# Altium PCB PCB2.PcbDoc (part 1 of 2) (continued)
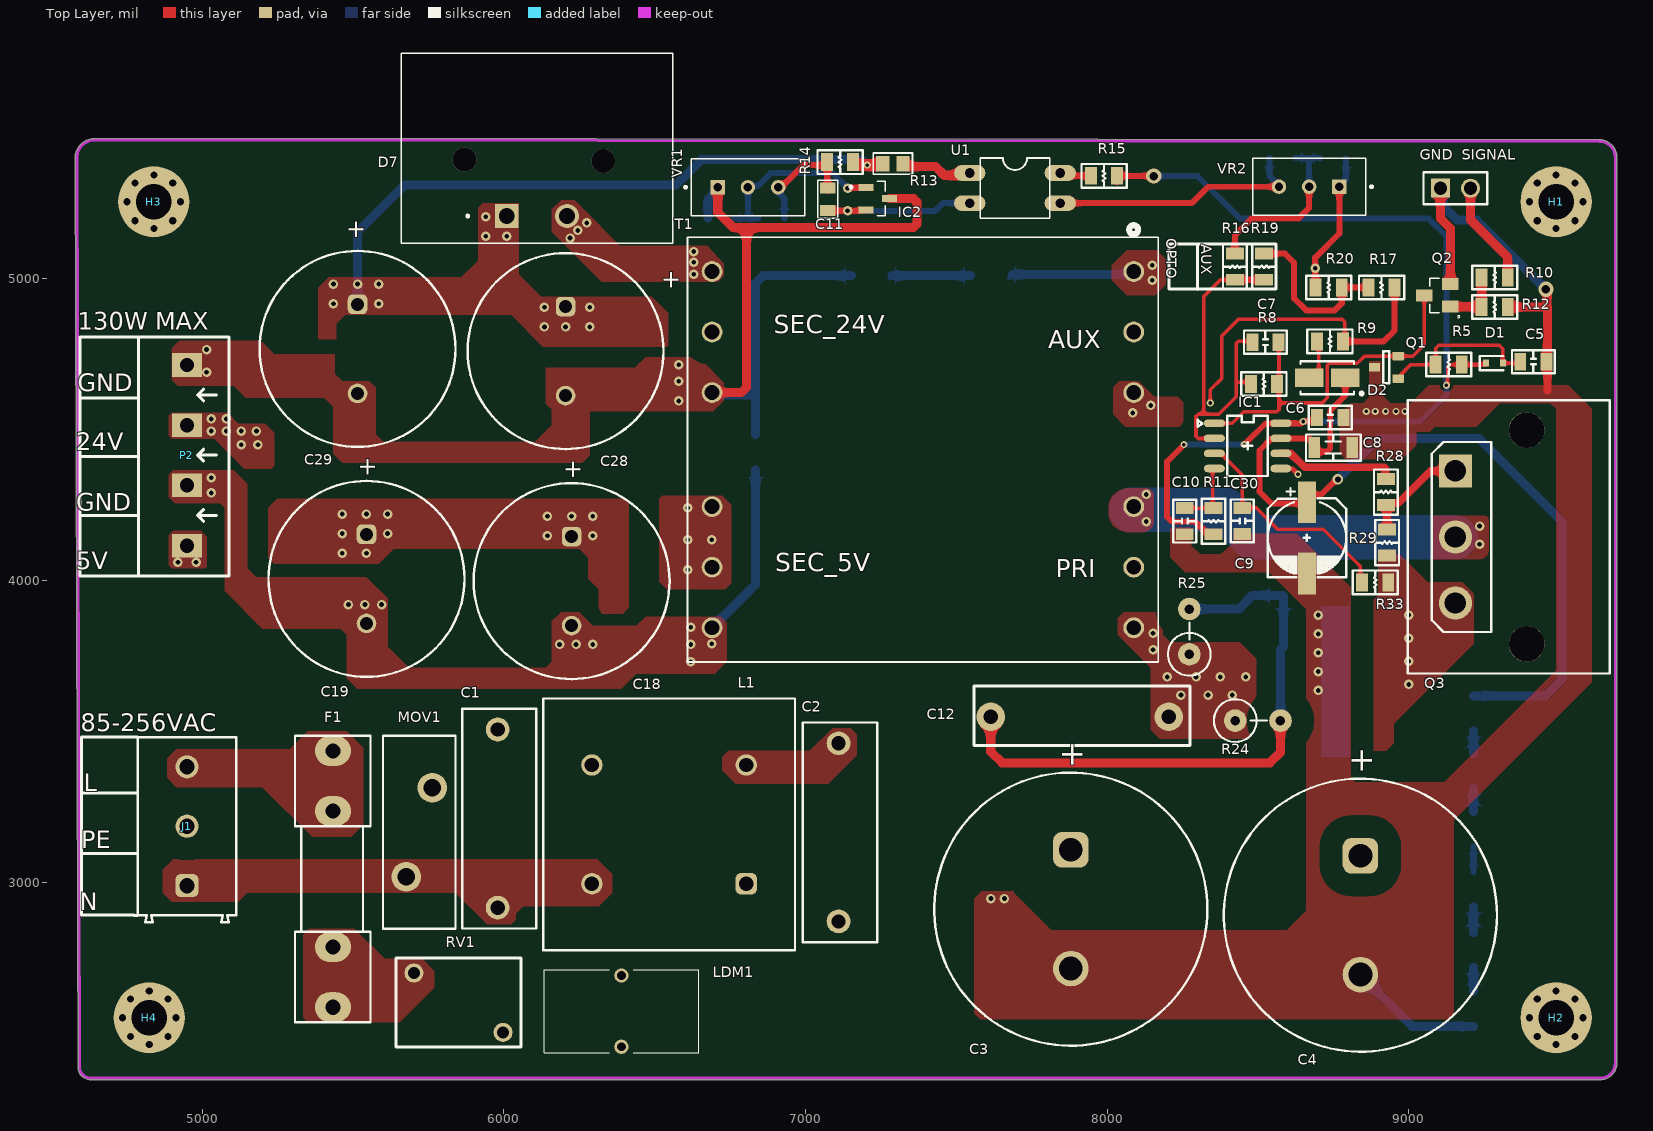
[diagram p0: Top Layer view]
## Part data
BR1 BR2: library part "BRIDGE RECT 1.2KV 2A", "Bridge Rectifier Single Phase Standard 1.2 kV Surface Mount DBLS", Manufacturer=FairchildSemiconductor, Operating Temperature=-55to150°C, Package=4SDIPSMD, Package Description="4-Pin Surface Mount Device, Body 8.28 x 6.35 mm, Pitch 5.1 mm", Package Reference="SDIP 4L", Peak Average Forward Current=1.5@Ta=40CA, Peak Forward Voltage=1.1@1AV, Peak Reverse Current=5uA, Peak Reverse Repetitive Voltage=1000V, Supplier Part Number 1=1801-DBLS158GCT-ND, Bridge Type=SinglePhase, Category=BridgeRectifier, Configuration=Single, Datasheet URL=http://www.farnell.com/datasheets/1941063.pdf, Datasheet Version="Rev. 1.5, 05/2015", Manufacturer URL=https://www.fairchildsemi.com/, Mounting=SurfaceMount, Mounting Technology=SurfaceMount, Packaging=Tape&Reel, Supplier 1=Digikey
C1 C2: "0.047 µF Film Capacitor 440V 1000V (1kV) Polypropylene (PP), Metallized Radial", Capacitance=47nF, Case/Package=Radial, Dielectric Material=PP, Manufacturer 1=KEMET, Max Operating Temperature=110°C, Min Operating Temperature=-40°C, Ratings=AEC-Q200,X1, Supplier Part Number 1=399-17231-1-ND, Tolerance=20%, Voltage Rating (AC)=440V, Voltage Rating (DC)=1kV, Category 1="Film Capacitors", ComponentLink1Description=https://datasheet.ciiva.com/46436/1848873-46436253.pdf?src-supplier=Element14, ComponentLink1URL=https://datasheet.ciiva.com/46436/1848873-46436253.pdf?src-supplier=Element14, Description 1="Cap Film 0.047UF 20% 1KVDC Rad", Manufacturer Part Number 1=R474I2470CKA2M, Mount="Through Hole", Packaging="Cut Tape", Parameter 1="0.047uF 440Vac", Pricing 1="1=0,69, 10=0,482, 50=0,4056, 100=0,3302, 500=0,27518 (USD)", RoHS 1=Yes, RoHS Compliant=Yes, Series=R47, Stock 1=4929, Supplier 1=Digikey, Termination="PC Pins"
C3 C4: library part 861141483002, "WCAP-AI3H Aluminum Electrolytic Capacitor, Snap-In, D22xH30mm, 82uF, 450V", Capacitance Tolerance=+/-20%, Leakage Current=576.28uA, Manufacturer="Wurth Elektronik", Operating Temperature Max=105°C, Operating Temperature Min=-25°C, Rated Voltage (DC)=450V, Ripple Current=640mA, Capacitance=82uF, Category="Aluminum Electrolytic Capacitors", ComponentLink1Description="Manufacturer Link", ComponentLink1URL=https://www.we-online.com/redexpert/article/861141483002?ad, ComponentLink2Description=Datasheet, ComponentLink2URL=https://www.we-online.com/redexpert/spec/861141483002?ad, Diameter=22mm, Dissipation Factor=20%, Endurance=3000h, Height=30mm, Manufacturer Part Number=861141483002, Match Code=WCAP-AI3H, Mount="Through Hole", Packaging=Tray, Technical Reference=ANJN300820M450DSIC3C000
C5: library part "Cap 0805 1uF", "1 µF ±10% 35V Ceramic Capacitor X7R 0805 (2012 Metric)", Supplier Part Number 1=490-10494-1-ND, Supplier 1=Digi-Key
C6: library part "Cap 0805 0.1uF", "0.1 µF ±10% 50V Ceramic Capacitor X7R 0805 (2012 Metric)", Manufacturer 1=Samsung, Supplier Part Number 1=1276-1003-1-ND, Category 1="Ceramic Capacitors", ComponentLink1Description=https://datasheet.ciiva.com/25710/cl21b104kbcnnnc-25710182.pdf?src-supplier=Digi-Key, ComponentLink1URL=https://datasheet.ciiva.com/25710/cl21b104kbcnnnc-25710182.pdf?src-supplier=Digi-Key, ComponentLink2Description=https://datasheet.ciiva.com/29199/454152-da-01-en-vs-kondensator-0805-29199814.pdf?src-supplier=Conrad, ComponentLink2URL=https://datasheet.ciiva.com/29199/454152-da-01-en-vs-kondensator-0805-29199814.pdf?src-supplier=Conrad, Description 1="Multilayer Ceramic Capacitor, 0.1 uF, 50 V, ± 10%, X7R, 0805 [2012 Metric]", Manufacturer Part Number 1=CL21B104KBCNNNC, Pricing 1="1=0,1, 10=0,044, 50=0,024, 100=0,0196, 500=0,01404, 1000=0,01103 (USD)", RoHS 1=Yes, Stock 1=559254, Supplier 1=Digi-Key
C7: library part "Cap 0805 10nF", "10000 pF ±5% 50V Ceramic Capacitor C0G, NP0 0805 (2012 Metric)", Manufacturer 1=Murata, Manufacturer Part Number 1=GRM21BR61H106KE43L, Supplier Part Number 1=490-1642-1-ND, Category 1="Ceramic Capacitors", ComponentLink1Description=https://datasheet.octopart.com/GRM21BR61H106KE43L-Murata-datasheet-155345082.pdf?src-supplier=Element14, ComponentLink1URL=https://datasheet.octopart.com/GRM21BR61H106KE43L-Murata-datasheet-155345082.pdf?src-supplier=Element14, ComponentLink2Description=https://search.murata.co.jp/Ceramy/image/img/A01X/G101/ENG/GRM21BR61H106KE43-01A.pdf?src-supplier=Digi-Key, ComponentLink2URL=https://search.murata.co.jp/Ceramy/image/img/A01X/G101/ENG/GRM21BR61H106KE43-01A.pdf?src-supplier=Digi-Key, ComponentLink3Description=https://datasheet.octopart.com/GRM21BR61H106KE43L-Murata-datasheet-165579666.pdf?src-supplier=TME, ComponentLink3URL=https://datasheet.octopart.com/GRM21BR61H106KE43L-Murata-datasheet-165579666.pdf?src-supplier=TME, Description 1="Capacitor Ceramic Multilayer", Pricing 1="1=0,3, 10=0,209, 50=0,139, 100=0,1182, 500=0,08342, 1000=0,073 (USD)", RoHS 1=Yes, Stock 1=19692, Supplier 1=Digikey
C8 C13 C14 C15 C16 C17 C20 C21 C22 C23 C24 C25 C26 C27: library part "Cap 1206 4.7uF", "4.7 µF ±20% 50V Ceramic Capacitor X7R 1206 (3216 Metric)", Capacitance=10uF, Case Code (Imperial)=1206, Case Code (Metric)=3216, Dielectric=X7R, Manufacturer 1=TDK, Manufacturer Part Number 1=CGA5L1X7R1V106M160AC, Max Operating Temperature=125°C, Min Operating Temperature=-55°C, Package Quantity=2000, Ratings=AEC-Q200, Supplier Part Number 1=445-8033-1-ND, Tolerance=20%, Voltage Rating=35V, Case/Package=1206, Category 1="Ceramic Capacitors", ComponentLink1Description=https://product.tdk.com/info/en/catalog/datasheets/mlcc_automotive_general_en.pdf?src-supplier=Digi-Key, ComponentLink1URL=https://product.tdk.com/info/en/catalog/datasheets/mlcc_automotive_general_en.pdf?src-supplier=Digi-Key, ComponentLink2Description=http://product.tdk.com/capacitor/mlcc/detailed_information.php?lang=en&ref=jp&part_no=CGA5L1X7R1V106M160AC&src-supplier=Mouser, ComponentLink2URL=http://product.tdk.com/capacitor/mlcc/detailed_information.php?lang=en&ref=jp&part_no=CGA5L1X7R1V106M160AC&src-supplier=Mouser, ComponentLink3Description=http://product.tdk.com/capacitor/mlcc/class/print_detail_pdf.php?lang=en&part_no=CGA5L1X7R1V106M160AC&src-supplier=Avnet, ComponentLink3URL=http://product.tdk.com/capacitor/mlcc/class/print_detail_pdf.php?lang=en&part_no=CGA5L1X7R1V106M160AC&src-supplier=Avnet, ComponentLink4Description=https://product.tdk.com/info/en/catalog/spec/mlccspec_automotive_general_midvoltage_en.pdf?src-supplier=Digi-Key, ComponentLink4URL=https://product.tdk.com/info/en/catalog/spec/mlccspec_automotive_general_midvoltage_en.pdf?src-supplier=Digi-Key, Description 1="Cap Ceramic 10uF 35V X7R 20% SMD 1206 125°C Blister Plastic T/R", Height=1.6mm, Length=0.126inch, Mount="Surface Mount", Packaging="Tape and Reel", Pricing 1="1=0,72, 10=0,53, 50=0,4242, 100=0,3636, 500=0,28784, 1000=0,2424 (USD)", RoHS 1=Yes, RoHS Compliant=Yes, Series=CGA, Stock 1=4126, Supplier 1=Digikey, Termination=SMD/SMT, Thickness=0.071inch, Voltage Rating (DC)=35V, Weight=0.000571oz, Width=1.6mm
C9: library part "Capacitor-50V 47u_6.3pi", "CAP ALUM 47UF 20% 50V SMD", Manufacturer=Panasonic, Package/Case="6.3mm (dia)", Supplier Part Number=10-EEE-FK1H470XLCTND, Supplier Part Number 1=10-EEE-FK1H470XLCT-ND, Supplier 1=Digi-Key
C10: library part "Cap 0805 1nF", "1000 pF 50 VDC 10% 0805 X7R", Manufacturer 1=Murata, Manufacturer Part Number 1=GRM21BR61H106KE43L, Supplier Part Number 1=490-6057-1-ND, Category 1="Ceramic Capacitors", ComponentLink1Description=https://datasheet.octopart.com/GRM21BR61H106KE43L-Murata-datasheet-155345082.pdf?src-supplier=Element14, ComponentLink1URL=https://datasheet.octopart.com/GRM21BR61H106KE43L-Murata-datasheet-155345082.pdf?src-supplier=Element14, ComponentLink2Description=https://search.murata.co.jp/Ceramy/image/img/A01X/G101/ENG/GRM21BR61H106KE43-01A.pdf?src-supplier=Digi-Key, ComponentLink2URL=https://search.murata.co.jp/Ceramy/image/img/A01X/G101/ENG/GRM21BR61H106KE43-01A.pdf?src-supplier=Digi-Key, ComponentLink3Description=https://datasheet.octopart.com/GRM21BR61H106KE43L-Murata-datasheet-165579666.pdf?src-supplier=TME, ComponentLink3URL=https://datasheet.octopart.com/GRM21BR61H106KE43L-Murata-datasheet-165579666.pdf?src-supplier=TME, Description 1="Capacitor Ceramic Multilayer", Pricing 1="1=0,3, 10=0,209, 50=0,139, 100=0,1182, 500=0,08342, 1000=0,073 (USD)", RoHS 1=Yes, Stock 1=19692, Supplier 1=Digikey
C11: library part 0108058281050, "CAP, size 0805, 8.2 uF, 50 VDC", Capacitance="8.2 uF", Manufacture Name=TDK, Manufacture SN=CGA4C2C0G1H822J060AA, Operating Temperature="-55 to +125degC", Tolerance=+/-5%, Voltage Rating DC="50 VDC", ComponentLink2Description=Datasheet, ComponentLink2URL=https://product.tdk.com/system/files/dam/doc/product/capacitor/ceramic/mlcc/catalog/mlcc_automotive_general_en.pdf?ref_disty=mouser, Mounting Technology=SMT, Packaging="Tape and Reel", Size=0805, Supplier 1 Name=Mouser, Supplier 1 SN=810-CGA4C2C0G1H822J, Supplier 1 URL=https://www.mouser.vn/ProductDetail/TDK/CGA4C2C0G1H822J060AA?qs=FxQuwy19cyAK0jQ6P5l0pQ%3D%3D&utm_source=mouser-refine-download&utm_medium=file&utm_campaign=CGA4C2C0G1H822J060AA&utm_content=TDK, Supplier 2 Name=Digi-Key, Supplier 2 SN=445-6946-2-ND, Supplier 2 URL=https://www.digikey.com/en/products/detail/tdk-corporation/cga4c2c0g1h822j060aa/2672839, Supplier 3 Name=thegioiic, Supplier 3 SN=OEM, Supplier 3 URL=N/A
C12: "CBB 630V 472J (4.7NF) 15mm", Capacitant=47nF, Dielectric="Metallized Polypropylene", Max RMS voltage=630V, Supply link=https://chipn24.com/g54-tu-cbb-630v-472j-p10mm-472-4-7nf-id4742.html
C18 C19 C28 C29: library part 860010480022, "WCAP-ATG8 Aluminum Electrolytic Capacitor, Radial THT, D16xH25mm, 2700uF, 25V", Capacitance Tolerance=+/-20%, Leakage Current=675uA, Manufacturer="Wurth Elektronik", Operating Temperature Max=85°C, Operating Temperature Min=-40°C, Rated Voltage (DC)=25V, Ripple Current=1804mA, Capacitance=2700uF, Category="Aluminum Electrolytic Capacitors", ComponentLink1Description="Manufacturer Link", ComponentLink1URL=https://www.we-online.com/redexpert/article/860010480022?ad, ComponentLink2Description=Datasheet, ComponentLink2URL=https://www.we-online.com/redexpert/spec/860010480022?ad, Diameter=16mm, Dissipation Factor=14%, Endurance=2000h, Height=25mm, Manufacturer Part Number=860010480022, Match Code=WCAP-ATG8, Mount="Through Hole", Packaging="Ammo Pack", Technical Reference=ATBK250272M025DSPAEB000
C30: library part "CAP 0805 100pF", "CAP, CERM, 100 pF, 50 V, +/- 5%, X7R, 0805", Manufacturer 1=KEMET, Supplier Part Number 1=80-C0805C101J5R, Category 1="Ceramic Capacitors", ComponentLink1Description=http://components.arrow.com/part/dataview/42933017S9108484N7429?src-supplier=Arrow+Electronics, ComponentLink1URL=http://components.arrow.com/part/dataview/42933017S9108484N7429?src-supplier=Arrow+Electronics, ComponentLink2Description=https://datasheet.octopart.com/C0805C101J5RACTU-KEMET-datasheet-157246124.pdf?src-supplier=TME, ComponentLink2URL=https://datasheet.octopart.com/C0805C101J5RACTU-KEMET-datasheet-157246124.pdf?src-supplier=TME, Description 1="Cap Ceramic 100pF 50V X7R 5% SMD 0805 125C Paper T/R", Manufacturer Part Number 1=C0805C101J5RACTU, Parameter 1="0805 100pF 50V", Pricing 1="1=0,14, 10=0,059, 50=0,059, 100=0,034, 1000=0,027, 10000=0,022 (USD)", RoHS 1=Yes, Stock 1=27580, Supplier 1=Mouser
C31 C32: library part "Cap 1206 2.2nF", "2200 pF ±10% 1000V (1kV) Ceramic Capacitor X7R 1206 (3216 Metric)", Manufacturer 1=Yageo, Supplier Part Number 1=311-1511-1-ND, Voltage Rating (AC)=1kV, Category 1="Ceramic Capacitors", ComponentLink1Description=https://datasheet.ciiva.com/11787/0900766b80d8503a-11787843.pdf?src-supplier=Rs, ComponentLink1URL=https://datasheet.ciiva.com/11787/0900766b80d8503a-11787843.pdf?src-supplier=Rs, ComponentLink2Description=https://datasheet.ciiva.com/13264/upy-gp-np0-16v-to-50v-8-3714-13264204.pdf?src-supplier=Mouser, ComponentLink2URL=https://datasheet.ciiva.com/13264/upy-gp-np0-16v-to-50v-8-3714-13264204.pdf?src-supplier=Mouser, ComponentLink3Description=https://datasheet.ciiva.com/190/mlccorderingcode-190678.pdf?src-supplier=Digikey, ComponentLink3URL=https://datasheet.ciiva.com/190/mlccorderingcode-190678.pdf?src-supplier=Digikey, ComponentLink4Description=https://datasheet.ciiva.com/190/mlccorderingcode-190679.pdf?src-supplier=Digikey, ComponentLink4URL=https://datasheet.ciiva.com/190/mlccorderingcode-190679.pdf?src-supplier=Digikey, ComponentLink5Description=https://datasheet.ciiva.com/190/mlccorderingcode-190680.pdf?src-supplier=Digikey, ComponentLink5URL=https://datasheet.ciiva.com/190/mlccorderingcode-190680.pdf?src-supplier=Digikey, Description 1="Multilayer Ceramic Capacitor, 2200 pF, 1000 V, ± 10%, X7R, 1206 [3216 Metric]", Manufacturer Part Number 1=CC1206KKX7RCBB222, Material=4241ConductorMaterial, Pricing 1="1=0,18, 10=0,119, 50=0,0754, 100=0,0603, 500=0,04358, 1000=0,03856 (USD)", RoHS 1=Yes, Stock 1=424375, Supplier 1=Digikey
D1: library part "Diode 30V 1A", "Diode 30 V 1A Surface Mount SOD-523", Average Rectified Current=1A, Forward Voltage=680mV, Manufacturer 1=Nexperia, Max Forward Surge Current (Ifsm)=5A, Max Operating Temperature=150°C, Max Repetitive Reverse Voltage (Vrrm)=30V, Max Reverse Current=500uA, Max Surge Current=3A, Min Operating Temperature=-65°C, Supplier Part Number 1=1727-5834-1-ND, Category 1="Rectifier Diodes", ComponentLink1Description=https://datasheet.octopart.com/BZX585-C9V1%2C135-Nexperia-datasheet-81456219.pdf?src-supplier=Future+Electronics, ComponentLink1URL=https://datasheet.octopart.com/BZX585-C9V1%2C135-Nexperia-datasheet-81456219.pdf?src-supplier=Future+Electronics, ComponentLink2Description=https://assets.nexperia.com/documents/packing/SOD523_115.pdf?src-supplier=Digikey, ComponentLink2URL=https://assets.nexperia.com/documents/packing/SOD523_115.pdf?src-supplier=Digikey, ComponentLink3Description=https://datasheet.octopart.com/PMEG3010EB%2C115-Nexperia-datasheet-12552804.pdf?src-supplier=Farnell, ComponentLink3URL=https://datasheet.octopart.com/PMEG3010EB%2C115-Nexperia-datasheet-12552804.pdf?src-supplier=Farnell, Description 1="Rectifier Diode, Schottky, 1 Phase, 1 Element, 1A, Silicon", Element Configuration=5460ElementConfiguration, Forward Current=1A, Lead Free=5697LeadFree, Manufacturer Part Number 1=PMEG3010EB,115, Max Reverse Leakage Current=500uA, Max Reverse Voltage (DC)=30V, Mount=8Mount, Number of Pins=2NUMBER, Peak Non-Repetitive Surge Current=5A, Pricing 1="1=0,46, 10=0,326, 100=0,1644, 500=0,14572, 1000=0,11341, 3000=0,1015, 6000=0,09923, 9000=0,08789, 30000=0,08676, 75000=0,07371 (USD)", Radiation Hardening=5898YesNo, Reach SVHC Compliant=4186SVHC, RoHS 1=Yes, RoHS Compliant=Yes, Stock 1=7761, Supplier 1=Digikey
D2: library part RS1M, "Rectifiers 1000V 1a Fast Rect SMa", Forward Current="1 A", Forward Voltage="1.3 V", LCSC Part #=N/A, Manufacturer=onsemi, Max Surge Current="30 A", Operating Temperature Max="+ 85 C", Operating Temperature Min="- 40 C", Package / Case=DO-214AC, Peak Reverse Voltage="1 kV", Power Dissipation="1.19 W", Reverse Current="5 uA", Supplier 1 Part Number=512-RS1M, Supplier 2 Part Number=RS1MFSTR-ND, Supplier 3 Part Number="FR107 RS1M", ComponentLink1Description=Datasheet, ComponentLink1URL=https://www.mouser.vn/datasheet/2/308/1/RS1M_D-2320127.pdf, Manufacturer Part Number=RS1M, Maximum Diode Capacitance=N/A, Mount=SMD/SMT, Packaging="Tape and Reel", Recovery Time="500 ns", Supplier 1=Mouser, Supplier 1 URL=https://www.mouser.vn/ProductDetail/onsemi-Fairchild/RS1M?qs=e%2FRqmsgwm9icSRWI%2F467wA%3D%3D, Supplier 2=Digi-Key, Supplier 2 URL=https://www.digikey.com/en/products/detail/onsemi/rs1m/1048919, Supplier 3=thegioiic, Supplier 3 URL=https://www.thegioiic.com/fr107-rs1m-sma-diode-chinh-luu-1a-1kv, Type=Rectifiers
D3 D4 D5 D6: library part "DIODE 1000V 3A", "DIODE GEN PURP 1KV 3A SMB", Capacitance=40pF, Forward Current=3A, Manufacturer="Diodes Inc.", Max Junction Temp=+150°C, Max Repetitive Reverse Voltage=1000V, Max Surge Forward Current=100A, Package=SMB, Peak Reverse Current=10uA, Supplier Part Number 1=S3MB-FDICT-ND, Temperature="-65°C to +150°C", Temperature Range Low=-65°C, Automotive=No, Category=Diode, ComponentLink2Description=Datasheet, ComponentLink2URL=https://www.diodes.com/assets/Datasheets/ds16005.pdf, Device Class L1="Discrete Semiconductors", Device Class L2=Diodes, Device Class L3="Rectifier Diodes", Digikey Description="DIODE GEN PURP 1KV 3A SMB", Footprint Url=https://www.diodes.com/assets/Package-Files/SMB.pdf, Height=2.5mm, Lead Free=Yes, Manufacturer Part Number=S3MB-13-F, Mouser Description="Rectifiers 1000V 3A", Octopart=https://octopart.com/s3mb-13-f-diodes+inc.-333387, Reverse Voltage=1000V, RoHS=TRUE, Standoff Height=0.05mm, Supplier 1=Digikey, Temperature Range High=+150°C
F1: "2 A 250 V AC 125 V DC Fuse Board Mount (Cartridge Style)", Manufacturer=Littelfuse, Manufacturer Part Number=0505025.MXP, Category=Fuses, ComponentLink1Description=https://datasheet.ciiva.com/26890/getdatasheetpartid-706019-26890404.pdf?src-supplier=Verical, ComponentLink1URL=https://datasheet.ciiva.com/26890/getdatasheetpartid-706019-26890404.pdf?src-supplier=Verical, ComponentLink2Description=https://datasheet.ciiva.com/29618/littelfuse-fuse-505-datasheet-pdf-29618152.pdf?src-supplier=Digi-Key, ComponentLink2URL=https://datasheet.ciiva.com/29618/littelfuse-fuse-505-datasheet-pdf-29618152.pdf?src-supplier=Digi-Key, ComponentLink3Description=https://datasheet.ciiva.com/300/littelfuse-fuse-505-300507.pdf?src-supplier=Digi-Key, ComponentLink3URL=https://datasheet.ciiva.com/300/littelfuse-fuse-505-300507.pdf?src-supplier=Digi-Key, ComponentLink4Description=https://datasheet.ciiva.com/7314/697468-7314411.pdf?src-supplier=Newark, ComponentLink4URL=https://datasheet.ciiva.com/7314/697468-7314411.pdf?src-supplier=Newark, Pricing 1="1=5.43, 5=5.244, 10=5.057, 50=3.9336, 100=3.278, 250=3.18436, 500=2.71606, 1000=2.57558 (USD)", RoHS=Yes, Stock 1=3122
"GND  SIGNAL": "WR-PHD Pin Header, THT, pitch 2.54mm, Single Row, Vertical, 2p", Contact Resistance=20mOhm, Manufacturer="Wurth Elektronik", Operating Temperature="-40 to +105degC", Rated Current=3A, Withstanding Voltage=500VAC, Working Voltage=250VAC, ComponentLink1Description=Manufacturer, ComponentLink1URL=http://www.we-online.de, ComponentLink2Description=Datasheet, ComponentLink2URL=https://www.we-online.com/catalog/datasheet/61300211121.pdf, ComponentLink3Description="Global Supply", ComponentLink3URL=https://www.mouser.vn/ProductDetail/Wurth-Elektronik/61300211121?qs=t4813l51qx%252B1A5GYDQxPlw%3D%3D, Gender="Pin Header", Manufacturer Part Number=61300211121, Mounting Technology=THT, Orientation=Vertical, Packaging=Bag, Pin Number=2, Pitch=2.54mm, Published Date="May 2020", Row Number=Single, Supplier 1 Name=Mouser, Supplier 1 SN=710-61300211121, Supplier 1 URL=https://www.mouser.vn/ProductDetail/Wurth-Elektronik/61300211121?qs=t4813l51qx%252B1A5GYDQxPlw%3D%3D, Supplier 2 Name=Digi-Key, Supplier 2 SN=N/A, Supplier 2 URL=N/A, Supplier 3 Name=thegioiic, Supplier 3 SN=N/A, Supplier 3 URL=N/A, Supply Name 1=Mouser
IC1: "UC3843 Switching IC 8.4V 500kHz", Supplier Part Number 1=296-27152-1-ND, Supplier 1=Digikey
J1: library part 691213710003, "WR-TBL Series 213 Horizontal Entry Modular, THT, pitch 5mm, 3p", Manufacturer="Wurth Elektronik", Operating Temperature Max=105°C, Operating Temperature Min=-40°C, Rated Current=10A, Working Voltage=300V, Application="Rising Cage Clamp", Category="Terminal Blocks", ComponentLink1Description="Datasheet Link", ComponentLink1URL=https://www.we-online.com/redexpert/spec/691213710003?ad, ComponentLink2Description="Supplier 1 URL", ComponentLink2URL=N/A, ComponentLink3Description="Supplier 2 URL", ComponentLink3URL=N/A, ComponentLink4Description="Supplier 3 URL", ComponentLink4URL=https://www.thegioiic.com/kf128-3-v-domino-3-chan-thang-5mm-300v-10a-han-pcb-loai-tot, Manufacturer Part Number=691213710003, Match Code=WR-TBL, Modularity=Yes, Mount="Through Hole", Number of Pins=3, Number of Rows=1, Orientation=Horizontal, Packaging=Box, Pitch=5mm, Supplier 1 Name=Mouser, Supplier 1 SN=N/A, Supplier 1 URL=N/A, Supplier 2 Name=Digi-Key, Supplier 2 SN=N/A, Supplier 2 URL=N/A, Supplier 3 Name=thegioiic, Supplier 3 SN=N/A, Supplier 3 URL=https://www.thegioiic.com/kf128-3-v-domino-3-chan-thang-5mm-300v-10a-han-pcb-loai-tot
L1: library part 7448640399, "WE-FC THT Common Mode Power Line Choke, ET20H, 5.9mH, 1.15A, 0.28Ω", Case/Size Code=ET20H, DC Resistance=0.28Ω, Inductance=5.9mH, Insulation Test Voltage (AC)=2000V, Manufacturer="Wurth Elektronik", Operating Temperature Max=125°C, Operating Temperature Min=-40°C, Rated Current=1.15A, Rated Voltage (AC)=250V, Category="Common Mode Chokes", ComponentLink1Description="Website Link", ComponentLink1URL=https://www.we-online.com/redexpert/article/7448640399?ad, ComponentLink2Description="Datasheet Link", ComponentLink2URL=https://www.we-online.com/redexpert/spec/7448640399?ad, Height=17.8mm, Length=21.3mm, Manufacturer Part Number=7448640399, Match Code=WE-FC, Material=MnZn, Mount="Through Hole", Packaging=Tray, Width=21.3mm
L2 L3: library part CDRH127/LDNP-470MC, "47 ÂµH Shielded - Inductor 3.25 A 78mOhm Max Nonstandard", Package="Nonstandard Sumida", Availability="In Stock", Check_prices=https://www.snapeda.com/parts/CDRH127/LDNP-470MC/Sumida+America+Components+Inc./view-part/?ref=eda, MF="Sumida America", MP=CDRH127/LDNP-470MC, Price=None, Purchase-URL=https://pricing.snapeda.com/search/part/CDRH127/LDNP-470MC/?ref=eda, SnapEDA_Link=https://www.snapeda.com/parts/CDRH127/LDNP-470MC/Sumida+America+Components+Inc./view-part/?ref=snap
LDM1: "Filters 25uH 2A DCR=42mOhms", Supplier Part Number 1=399-20548-ND, ComponentLink1Description=https://www.allegromicro.com/~/media/Files/Datasheets/ACS72981-Datasheet.ashx?src-supplier=Digi-Key, ComponentLink1URL=https://www.allegromicro.com/~/media/Files/Datasheets/ACS72981-Datasheet.ashx?src-supplier=Digi-Key, Supplier 1=Digikey
MOV1: "750 V 4.5 kA Varistor 1 Circuit Through Hole Disc 14mm", Capacitance=270pF, Case/Package=Radial, Clamping Current=50A, Clamping Voltage=1.24kV, Manufacturer 1=Bourns, Max Operating Temperature=85°C, Max Surge Current=4.5kA, Max Varistor Voltage=825V, Max Voltage Rating (AC)=460V, Max Voltage Rating (DC)=615V, Min Operating Temperature=-40°C, Min Varistor Voltage=675V, Package Quantity=500, Supplier Part Number 1=118-MOV-14D751K-ND, Tolerance=10%, Varistor Voltage=750V, Category 1=Varistors, ComponentLink1Description=https://media.digikey.com/pdf/Data%20Sheets/Bourns%20PDFs/GMOV_Series_DS.pdf?src-supplier=Digi-Key, ComponentLink1URL=https://media.digikey.com/pdf/Data%20Sheets/Bourns%20PDFs/GMOV_Series_DS.pdf?src-supplier=Digi-Key, ComponentLink2Description=https://datasheet.ciiva.com/3026/mov14d-3026373.pdf?src-supplier=Avnet, ComponentLink2URL=https://datasheet.ciiva.com/3026/mov14d-3026373.pdf?src-supplier=Avnet, ComponentLink3Description=https://datasheet.ciiva.com/369/mov14d-369435.pdf?src-supplier=Digikey, ComponentLink3URL=https://datasheet.ciiva.com/369/mov14d-369435.pdf?src-supplier=Digikey, Current Rating=50A, Description 1="Var MOV 460VAC/615VDC 4500A 750V Radial Bulk", Diameter=14mm, Energy=143J, Lead Pitch=7.5mm, Manufacturer Part Number 1=MOV-14D751K, Mount="Radial,Through Hole", Number of Circuits=1, Packaging=Bulk, Pricing 1="1=0,53, 10=0,458, 400=0,31723, 1200=0,20742, 5200=0,17691, 10000=0,16471 (USD)", Radiation Hardening=No, RoHS 1=Yes, RoHS Compliant=Yes, Series=-, Stock 1=4415, Supplier 1=Digikey, Voltage Rating (DC)=750V, Weight=0.105822oz
P2: "Domino 4-Pin", LatestRevisionDate=17-Jul-2002, LatestRevisionNote="Re-released for DXP Platform.", Publisher="Altium Limited"
Q1: library part "BJT PNP 40V", "Trans GP BJT PNP 40V 0.2A 300mW Automotive 3-Pin SOT-23 T/R", Manufacturer 1="ON Semiconductor", Manufacturer Part Number 1=SMMBT3906LT1G, Supplier Part Number 1=SMMBT3906LT1GOSCT-ND, Category 1=BJTs, ComponentLink1Description=https://datasheet.ciiva.com/980/mmbt3906lt1-d-980808.pdf?src-supplier=Digikey, ComponentLink1URL=https://datasheet.ciiva.com/980/mmbt3906lt1-d-980808.pdf?src-supplier=Digikey, ComponentLink2Description=https://datasheet.ciiva.com/16285/mmbt3906lt1-d-16285303.pdf?src-supplier=Mouser, ComponentLink2URL=https://datasheet.ciiva.com/16285/mmbt3906lt1-d-16285303.pdf?src-supplier=Mouser, ComponentLink3Description=https://datasheet.ciiva.com/11204/mmbt3906lt1-d-11204922.pdf?src-supplier=Avnet, ComponentLink3URL=https://datasheet.ciiva.com/11204/mmbt3906lt1-d-11204922.pdf?src-supplier=Avnet, Description 1="Trans GP BJT PNP 40V 0.2A 300mW Automotive 3-Pin SOT-23 T/R", Lead Free=5697LeadFree, Pricing 1="1=0,17, 10=0,124, 100=0,0667, 500=0,05236, 1000=0,03636, 3000=0,03012, 6000=0,02848, 9000=0,02424, 30000=0,02242, 75000=0,01939, 150000=0,01612 (USD)", RoHS 1=Yes, Stock 1=92580, Supplier 1=Digikey
Q2: "TRANS NPN, 40V, 600MA, SOT23-3", Current - Collector=600mA, DC Current Gain=35-300, Package=SOT-23, Power Dissipation=250mW, Voltage - Collector Emitter Breakdown=40V, Gain Bandwidth Product fT=250MHz, Supplier 1 Name=Mouser, Supplier 1 SN=637-MMBT2222A, Supplier 1 URL=https://www.mouser.vn/ProductDetail/Diotec-Semiconductor/MMBT2222A?qs=OlC7AqGiEDl9N1c3%252BL%2F%252Brw%3D%3D, Supplier 2 Name=Digi-Key, Supplier 2 SN=2796-MMBT2222ATR-ND, Supplier 2 URL=https://www.digikey.com/en/products/detail/diotec-semiconductor/MMBT2222A/13163394, Supplier 3 Name=thegioiic, Supplier 3 SN=N/A, Supplier 3 URL=https://www.thegioiic.com/mmbt2222a-transistor-npn-40v-0-6a-3-chan-sot-23, Transistor Type=NPN
Q3: "MOSFET N-CH 800V 8A TO247AC", Arrow Part Number=NVHL160N120SC1, Manufacturer_Name=onsemi, Mouser Part Number=863-NVHL160N120SC1, Supplier Part Number 1=742-SIHG11N80AE-GE3-ND, Arrow Price/Stock=https://www.arrow.com/en/products/nvhl160n120sc1/on-semiconductor, Datasheet Link=https://www.onsemi.com/pdf/datasheet/nvhl160n120sc1-d.pdf, Height=4.82mm, Manufacturer_Part_Number=NVHL160N120SC1, Mouser Price/Stock=https://www.mouser.co.uk/ProductDetail/ON-Semiconductor/NVHL160N120SC1?qs=GedFDFLaBXGyNe%2F0JxjRIw%3D%3D, Supplier 1=Digikey
R1 R2 R3 R4 R6 R7: library part RC1206JR-0713RL, "13 Ohms Â±5% 0.25W, 1/4W Chip Resistor 1206 (3216 Metric) Moisture Resistant Thick Film", Package="3116 Yageo", Availability="In Stock", Check_prices=https://www.snapeda.com/parts/RC1206JR-0713RL/Yageo/view-part/?ref=eda, MF=Yageo, MP=RC1206JR-0713RL, Price=None, Purchase-URL=https://pricing.snapeda.com/search/part/RC1206JR-0713RL/?ref=eda, SnapEDA_Link=https://www.snapeda.com/parts/RC1206JR-0713RL/Yageo/view-part/?ref=snap
R5: library part RES_0805_33k, "33 kOhms ±1% 0.125W, 1/8W Chip Resistor 0805 (2012 Metric) Moisture Resistant Thick Film", Manufacturer 1=Yageo, Manufacturer Part Number 1=AC0805FR-0733RL, Supplier Part Number 1=1593995, Category 1="Chip SMD Resistors", ComponentLink1Description=http://www.mouser.com/ds/2/447/yageodocoutput-1111992.pdf?src-supplier=Mouser, ComponentLink1URL=http://www.mouser.com/ds/2/447/yageodocoutput-1111992.pdf?src-supplier=Mouser, ComponentLink2Description=http://www.yageo.com/NewPortal/yageodocoutput?fileName=/pdf/R-Chip/PYu-AC_51_RoHS_L_6.pdf&src-supplier=Digi-Key, ComponentLink2URL=http://www.yageo.com/NewPortal/yageodocoutput?fileName=/pdf/R-Chip/PYu-AC_51_RoHS_L_6.pdf&src-supplier=Digi-Key, ComponentLink3Description=https://www.yageo.com/upload/media/product/productsearch/datasheet/rchip/PYu-AC_51_RoHS_L_7.pdf?src-supplier=Digi-Key, ComponentLink3URL=https://www.yageo.com/upload/media/product/productsearch/datasheet/rchip/PYu-AC_51_RoHS_L_7.pdf?src-supplier=Digi-Key, ComponentLink4Description=http://www.yageo.com/NewPortal/yageodocoutput?fileName=/pdf/R-Chip/PYu-AC_51_RoHS_L_5.pdf&src-supplier=Digi-Key, ComponentLink4URL=http://www.yageo.com/NewPortal/yageodocoutput?fileName=/pdf/R-Chip/PYu-AC_51_RoHS_L_5.pdf&src-supplier=Digi-Key, ComponentLink5Description=https://datasheet.octopart.com/AC0805FR-0733RL-Yageo-datasheet-151884373.pdf?src-supplier=Future+Electronics, ComponentLink5URL=https://datasheet.octopart.com/AC0805FR-0733RL-Yageo-datasheet-151884373.pdf?src-supplier=Future+Electronics, Description 1="SMD Chip Resistor, 33 Ohm, ± 1%, 125 mW, 0805 [2012 Metric], Thick Film, General Purpose", Pricing 1="1=0,1, 10=0,029, 50=0,0188, 100=0,0158, 500=0,01096, 1000=0,00948 (USD)", RoHS 1=Yes, Stock 1=24620, Supplier 1="Future Electronics"
R8 R16 R17 R19 R20 R26 R27 R29 R30 R31 R32: library part RES_0805_10k, "10 kOhms ±1% 0.125W, 1/8W Chip Resistor 0805 (2012 Metric) Moisture Resistant Thick Film", Supplier Part Number 1=13-RC0805FR-1310KLDKR-ND, Supplier 1=Digi-Key
R9 R28: library part RES_0805_22R, "22 Ohms ±1% 0.125W, 1/8W Chip Resistor 0805 (2012 Metric) Automotive AEC-Q200, Moisture Resistant Thick Film", Manufacturer 1=Yageo, Manufacturer Part Number 1=AC0805FR-0733RL, Supplier Part Number 1=13-RC0805FR-0722RPCT-ND, Category 1="Chip SMD Resistors", ComponentLink1Description=http://www.mouser.com/ds/2/447/yageodocoutput-1111992.pdf?src-supplier=Mouser, ComponentLink1URL=http://www.mouser.com/ds/2/447/yageodocoutput-1111992.pdf?src-supplier=Mouser, ComponentLink2Description=http://www.yageo.com/NewPortal/yageodocoutput?fileName=/pdf/R-Chip/PYu-AC_51_RoHS_L_6.pdf&src-supplier=Digi-Key, ComponentLink2URL=http://www.yageo.com/NewPortal/yageodocoutput?fileName=/pdf/R-Chip/PYu-AC_51_RoHS_L_6.pdf&src-supplier=Digi-Key, ComponentLink3Description=https://www.yageo.com/upload/media/product/productsearch/datasheet/rchip/PYu-AC_51_RoHS_L_7.pdf?src-supplier=Digi-Key, ComponentLink3URL=https://www.yageo.com/upload/media/product/productsearch/datasheet/rchip/PYu-AC_51_RoHS_L_7.pdf?src-supplier=Digi-Key, ComponentLink4Description=http://www.yageo.com/NewPortal/yageodocoutput?fileName=/pdf/R-Chip/PYu-AC_51_RoHS_L_5.pdf&src-supplier=Digi-Key, ComponentLink4URL=http://www.yageo.com/NewPortal/yageodocoutput?fileName=/pdf/R-Chip/PYu-AC_51_RoHS_L_5.pdf&src-supplier=Digi-Key, ComponentLink5Description=https://datasheet.octopart.com/AC0805FR-0733RL-Yageo-datasheet-151884373.pdf?src-supplier=Future+Electronics, ComponentLink5URL=https://datasheet.octopart.com/AC0805FR-0733RL-Yageo-datasheet-151884373.pdf?src-supplier=Future+Electronics, Description 1="SMD Chip Resistor, 33 Ohm, ± 1%, 125 mW, 0805 [2012 Metric], Thick Film, General Purpose", Pricing 1="1=0,1, 10=0,029, 50=0,0188, 100=0,0158, 500=0,01096, 1000=0,00948 (USD)", RoHS 1=Yes, Stock 1=24620, Supplier 1=Digikey
R10 R11 R12: library part RES_0805_12k, "12 kOhms ±1% 0.125W, 1/8W Chip Resistor 0805 (2012 Metric) Moisture Resistant Thick Film", Supplier Part Number 1=13-RC0805FR-1312KLCT-ND, Supplier 1=Digikey
R13: library part 00080545311, "RES, size 0805, 4.53 KOhm, 1/8W", Manufacture  Name=N/A, Rated Power="1/8 W", Resistance="4.53 KOhm", Resistance tolerance=+/-1%, ComponentLink1Description="Datasheet link", ComponentLink1URL=N/A, ComponentLink2Description="Supplier 1 URL", ComponentLink2URL=https://www.mouser.vn/ProductDetail/Bourns/CR0805-FX-4532ELF?qs=sGAEpiMZZMtG0KNrPCHnjfC2zYK6Lg3%2F1%2Fel6VE8vT0%3D, ComponentLink3Description="Supplier 2 URL", ComponentLink3URL=https://www.digikey.com/en/products/detail/yageo/RC0805FR-0745K3L/727965, ComponentLink4Description="Supplier 3 URL", ComponentLink4URL=N/A, Manufacture  SN=N/A, Mounting Technology=SMT, Size=0805, Supplier 1 Name=Mouser, Supplier 1 SN=652-CR0805FX-4532ELF, Supplier 1 URL=https://www.mouser.vn/ProductDetail/Bourns/CR0805-FX-4532ELF?qs=sGAEpiMZZMtG0KNrPCHnjfC2zYK6Lg3%2F1%2Fel6VE8vT0%3D, Supplier 2 Name=Digi-Key, Supplier 2 SN=311-45.3KCRDKR-ND, Supplier 2 URL=https://www.digikey.com/en/products/detail/yageo/RC0805FR-0745K3L/727965, Supplier 3 Name=Thegioiic, Supplier 3 SN=N/A, Supplier 3 URL=N/A
R14 R15 R18 R21 R22 R23: library part RES_0805_100k, "100 kOhms ±1% 0.250W, 1/4W Chip Resistor 0805", Supplier Part Number 1=2019-RK73B2ATTD104JCT-ND, Supplier 1=Digikey
R24 R25: Manufacturer="Generic Components", Class=Passive, Published=08/06/2000, Publisher="Altium Hobart Technology Centre", SubClass=R
R33: library part RES_0805_470, "470 Ohms ±1% 0.125W, 1/8W Chip Resistor 0805 (2012 Metric) Moisture Resistant Thick Film", Supplier Part Number 1=13-RC0805FR-07470RPCT-ND, Supplier 1=Digikey
R34: "0 Ohms ±5% 1W, Moisture Resistant Thick Film", Manufacturer_Name=Bourns, Manufacturer_Part_Number=CR1206-F/-2R00ELF, Mouser Part Number=652-CR1206-F/2R00ELF, Supplier Part Number 1=541-4322-1-ND, Height=0.75mm, Mouser Price/Stock=https://www.mouser.co.uk/ProductDetail/Bourns/CR1206-F-2R00ELF?qs=W%2FMpXkg%252BdQ47Z%2FeZv1nDSg%3D%3D, Supplier 1=Digikey
R35 R36 R37 R38 R39: "13 Ohms Â±5% 0.25W, 1/4W Chip Resistor 1206 (3216 Metric) Moisture Resistant Thick Film", Package="3116 Yageo", Availability="In Stock", Check_prices=https://www.snapeda.com/parts/RC1206JR-0713RL/Yageo/view-part/?ref=eda, MF=Yageo, MP=RC1206JR-0713RL, Price=None, Purchase-URL=https://pricing.snapeda.com/search/part/RC1206JR-0713RL/?ref=eda, SnapEDA_Link=https://www.snapeda.com/parts/RC1206JR-0713RL/Yageo/view-part/?ref=snap
RV1: "NTC Thermistor 20Ohms DIP 1A 25DegC  20R 9MM", Package=None, Check_prices=https://www.snapeda.com/parts/B72214S2271K101/EPCOS/view-part/?ref=eda, Digi-Key_Part_Number=495-1441-ND, MF=EPCOS, MP=B72214S2271K101, Purchase-URL=https://pricing.snapeda.com/search/part/B72214S2271K101/?ref=eda, SnapEDA_Link=https://www.snapeda.com/parts/B72214S2271K101/EPCOS/view-part/?ref=snap
T1: "Main Tranformer with 2 output line"
VR1 VR2: "25 Ohms 0.5W, 1/2W PC Pins Through Hole Trimmer Potentiometer Cermet 25.0 Turn Top Adjustment", Package="NON STANDARD-3 Bourns", Availability="In Stock", Check_prices=https://www.snapeda.com/parts/3296W-1-250/Bourns/view-part/?ref=eda, MF=Bourns, MP=3296W-1-250, Price=None, Purchase-URL=https://pricing.snapeda.com/search/part/3296W-1-250/?ref=eda, SnapEDA_Link=https://www.snapeda.com/parts/3296W-1-250/Bourns/view-part/?ref=snap

## Via types
v1: diameter 31.5, hole 15.75, Top Layer to Bottom Layer, tented both sides, 91 vias
v2: diameter 23.62, hole 23.62, Top Layer to Bottom Layer, 32 vias
v3: diameter 23.62, hole 11.81, Top Layer to Bottom Layer, tented both sides, 12 vias
v4: diameter 31.5, hole 15.75, Top Layer to Bottom Layer, 2 vias
v5: diameter 50, hole 28, Top Layer to Bottom Layer, tented both sides, 2 vias
v6: diameter 78.74, hole 78.74, Top Layer to Bottom Layer, 2 vias
v7: diameter 35.43, hole 19.68, Top Layer to Bottom Layer, tented both sides, 1 vias

## Nets (pads, with @x,y where several pads share a name; then routed paths per layer and width w, separated by ;. In a path a pad name is that pad's centre, name@x,y a point inside that pad or via, vN(x,y) a via of type N, cw(c..) or ccw(c..) an arc to the next point about the centre after c; other vN are vias at no path point)
AC_L1: F1.1 J1.3
AC_L2: C1.1 LDM1.1 MOV1.1 RV1.2
AC_L3: BR1.~2 BR2.~2 C2.1 L1.4
AC_N1: C1.2 J1.1 L1.2 MOV1.2
AC_N2: BR1.~1 BR2.~1 C2.2 L1.1
COMP: C7.1 IC1.1 Q1.E Q2.2 R8.2 | length 1267.9
  Top Layer w11.81: IC1.1@8333.44,4520.39 8415.39,4520.39 8453.46,4558.46 8563.08,4558.46 8570,4565.38 8570,4587.99 ; C7.1@8570,4792.13 8570,4587.99 ; Q1.E@8962.8,4743.5 8853.5,4743.5 8830,4720 8736.92,4720 8730,4713.08 8730,4604.91 8713.08,4587.99 8570,4587.99 ; Q1.E@8965.47,4743.5 9013.5,4743.5 9051.69,4781.69 Q2.2@9051.69,4945